# Altium PCB lab3_kozlov_motherboard.PcbDoc
Units mil, origin at the board's own origin, x right, y up, seen from the top; angles counter-clockwise.
Board outline not stored, 2 copper layers (Top Layer, Bottom Layer); 46 components, 51 nets, 261 pads, 0 vias.
Unrouted connection lines stored in the file: 157.
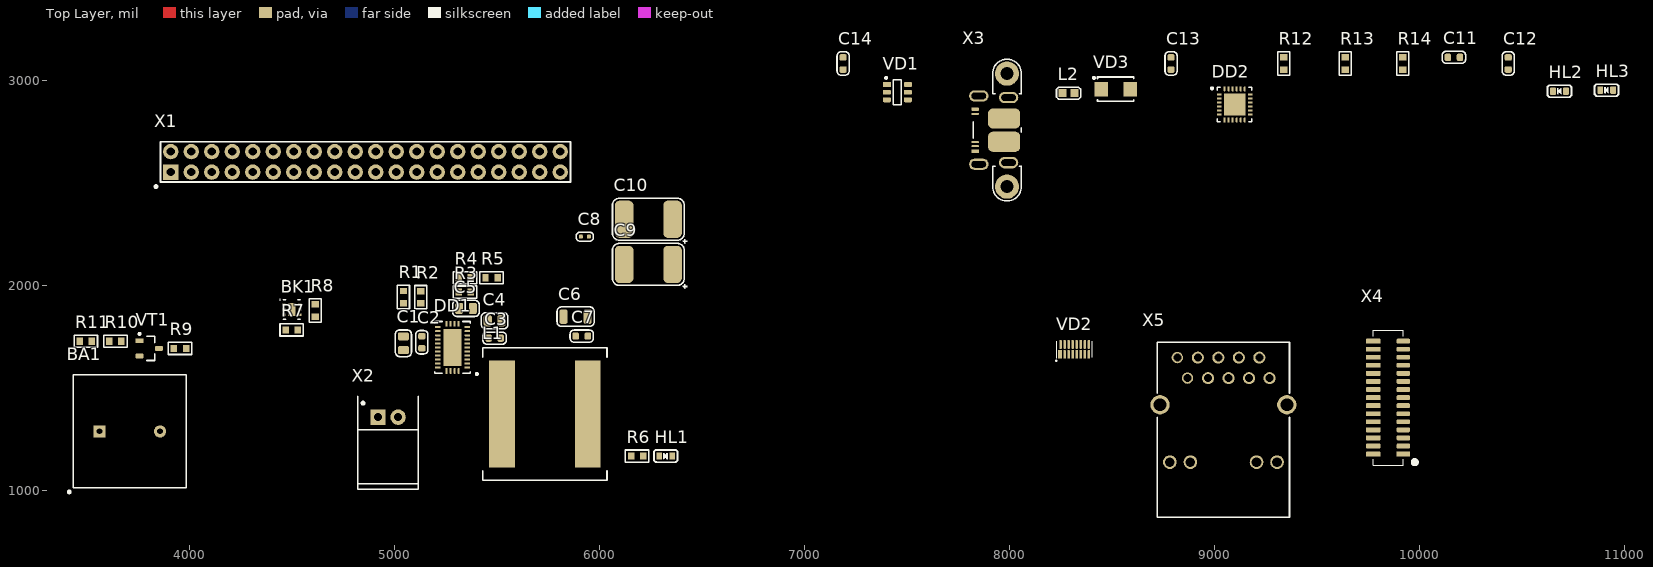
[diagram p0: Top Layer view]
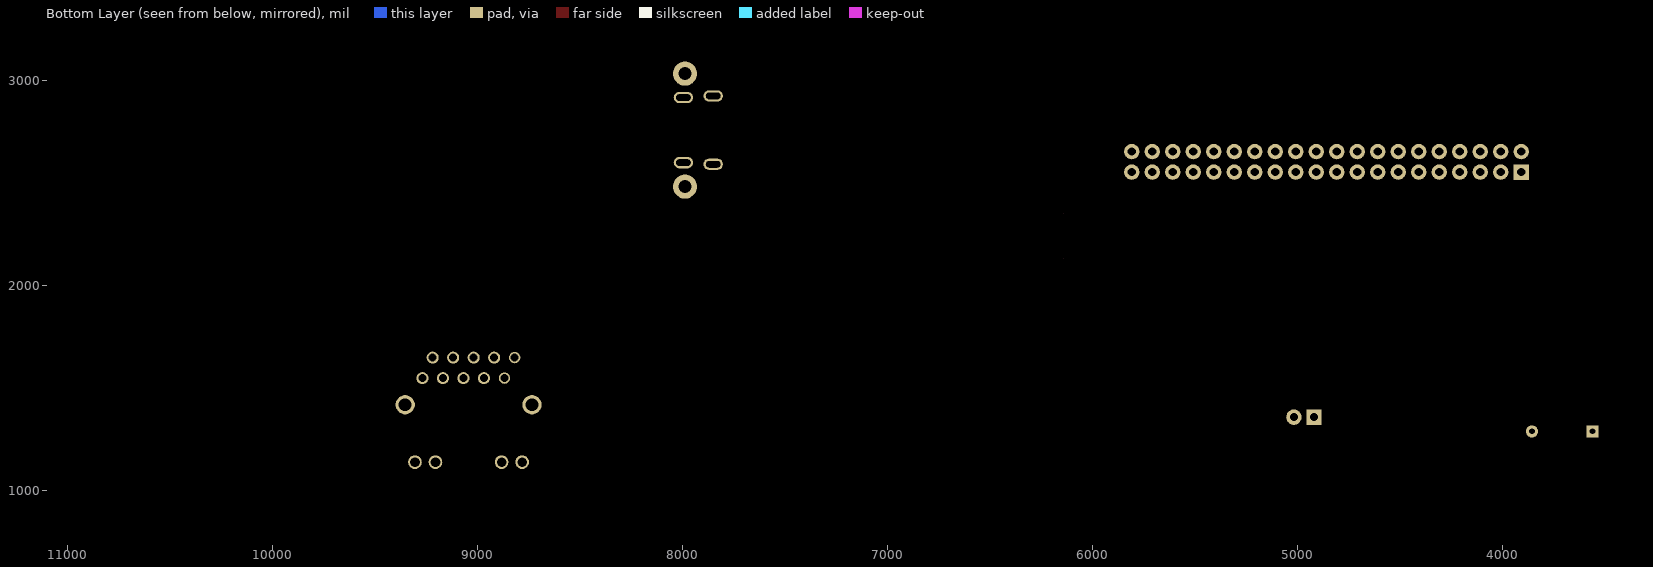
[diagram p1: Bottom Layer view, seen from below]

## Layer stack, top to bottom
Top Solder: solder mask 0.4, Solder Resist, Dk 3.5
Top Layer: signal copper 1.4
Dielectric 1: dielectric 12.6, FR-4, Dk 4.8
Bottom Layer: signal copper 1.4
Bottom Solder: solder mask 0.4, Solder Resist, Dk 3.5

## Design rules (kind name [scope] priority, off if disabled: settings)
Clearance [All] p1: gap=10 ignorepadtopadclearanceinfootprint=FALSE except(0: Arc-Hole Track-Hole SMDPad-Hole THPad-Hole Via-Hole Fill-Hole Poly-Hole Region-Hole Text-Hole)
PolygonConnect [All] p1: connectstyle=Relief reliefconductorwidth=10 reliefentries=4 polygonreliefangle="90 Angle" airgapwidth=10
RoutingVias [All] p1: holewidth=28 width=50 viastyle="Through Hole" minholewidth=28 minwidth=50 maxholewidth=28 maxwidth=50
SolderMaskExpansion [All] p1: expansion=4
Width [All] p1: maxlimit=10 minlimit=10 preferedwidth=10
30 further rules are at their usual default settings.

## Components (designator, comment, footprint, x,y, rotation, side; value= is the part's Value field where it differs from the comment)
BA1 "SMAT-13" SMAT_13 3710,1290 r0 top
BK1 "TMP117" TMP117 4500,1885 r0 top
C1 "4,7 мк" C0805 5045,1720 r270 top
C2 "0,47 мк" C0603 5135,1725 r270 top
C3 "0,47 мк" C0603 5490,1745 r180 top
C4 "2,2 мк" C0805 5490,1830 r0 top
C5 "150" C0805 5350,1890 r180 top
C6 "10 мк" C1206 5885,1850 r180 top
C7 "0,47 мк" C0603 5915,1755 r180 top
C8 "0,1 мк" C0402 5930,2240 r0 top
C9 "220 мк" C7343-43 6240,2105 r180 top
C10 "220 мк" C7343-43 6240,2325 r180 top
C11 "1 мк" C0603 10170,3115 r0 top
C12 "0,1 мк" C0603 10435,3085 r90 top
C13 "1 мк" C0603 8790,3085 r90 top
C14 "4,7 мк" C0603 7190,3085 r90 top
DD1 "LM76005RNPR" WQFN-30-P50-600X400X80-L55X25-T460X220 5285,1700 r180 top
DD2 "CP2104-F03-GM" QFN-24-P50-400X400X80-L40X25-T270X270 9100,2885 r0 top
HL1 "TLMS1000-GS08" HL0603 6325,1170 r180 top
HL2 "TLMS1000-GS08" HL0603 10685,2950 r0 top
HL3 "TLMG1100-GS08" HL0603 10915,2955 r0 top
L1 "XAL1510-822MEB" XAL-2-1620X1520X1000 5735,1375 r0 top
L2 "BLM18KG221SH1D" BLM-2-0603 8290,2940 r0 top
R1 "100" R0603 5045.01,1945.47 r90 top
R2 "100 к" R0603 5130,1945 r90 top
R3 "100 к" R0603 5345,1970 r0 top
R4 "13 к" R0603 5345,2040 r180 top
R5 "12 к" R0603 5475,2040 r180 top
R6 "220" R0603 6185,1170 r180 top
R7 "4,99 к" R0603 4500,1785 r0 top
R8 "4,99 к" R0603 4615,1880 r90 top
R9 "10 к" R0603 3955,1695 r180 top
R10 "100" R0603 3640,1730 r180 top
R11 "1 к" R0603 3495.47,1730 r180 top
R12 "330" R0603 9340,3085 r90 top
R13 "4,7 к" R0603 9640,3085 r90 top
R14 "330" R0603 9920,3085 r90 top
VD1 "USBLC6-2SC6" SOT-23-6-P95-290X280X145 7455,2945 r0 top
VD2 "EMI4193MTTAG" EMI4193 8320,1690 r0 top
VD3 "SL13-E3/5AT" DO-214AC-510X270X229 8520,2960 r0 top
VT1 "Si2342DS" SOT95P237X112-3N 3805,1695 r0 top
X1 "DS1023-2x20SF11" DS1023-2X20SF11 4860,2605 r0 top
X2 "DS1069-2MRW6XA" DS1069-2MRW6XA 4970,1235 r0 top
X3 "2108877-1" 2108877-1 7970,2760 r90 top
X4 "526101572" 526101572 9865,1455 r90 top
X5 "1-2301994-0" 1-2301994-0 9045,1300 r0 top

## Footprints (in the part's own frame and the unit in brackets; to place one, negate y for a bottom-side part, rotate by r counter-clockwise, add the part's x,y. Pads: shape width x height; smd on the part's side, far side on the other; paste and mask are expansions set on the pad)
1-2301994-0 [mm] "RJ45 with Integrated Magnetics, 1 Gbps, LED, R/A Type"
  round 1.4 hole 1: 1(-5.7,8.89) 2(-4.43,6.35)
  round 1.5 hole 1: 3(-3.16,8.89) 4(-1.89,6.35) 5(-0.62,8.89) 6(0.65,6.35) 7(1.92,8.89) 8(3.19,6.35) 9(4.46,8.89) 10(5.73,6.35)
  round 1.7 hole 1.2: 11(-6.63,-4.06) 12(-4.08,-4.06) 13(4.12,-4.06) 14(6.66,-4.06)
  round 2.4 hole 1.6: TP1(-7.84,3.05) TP1(7.87,3.05)
  round 0 hole 3.4: ""(-5.7,0) ""(5.73,0)
  silkscreen extent -8.2,-10.9 8.2,10.8, body extent -9.98,-10.74 10.02,10.61, height 15.62
2108877-1 [mm] "Micro USB 2.0 Type B R/A Type"
  rect 0.45x0.9 smd: 1(-2.6,3.446)
  rrect50% 0.25x0.9 smd: 2(-2,3.446) 3(-1.5,3.446) 4(2,3.446)
  rrect50% 0.45x0.9 smd: 5(2.6,3.446)
  round 3 hole 1.6: TP1(-7,-0.5) TP1(7,-0.5)
  oval 1.4x2.4 hole 0.8 slot 1.8 at 90 deg mask+0.102: TP1(-4.235,3) TP1(-4.035,-0.7) TP1(4.035,-0.7) TP1(4.235,3)
  rrect50% 2.5x3.98 smd: TP1(-1.441,-0.146) TP1(1.441,-0.146)
  silkscreen extent -8.78,-2.28 8.78,3.7, body extent -8.9,-4.2 8.9,3.7, height 3.39
526101572 [mm]
  rect 0.6x1.65 smd: 1(-7,-1.475)
  rrect50% 0.6x1.65 smd: 2(-6,-1.475) 3(-5,-1.475) 4(-4,-1.475) 5(-3,-1.475) 6(-2,-1.475) 7(-1,-1.475) 8(0,-1.475) 9(1,-1.475) 10(2,-1.475) 11(3,-1.475) 12(4,-1.475) 13(5,-1.475) 14(6,-1.475) 15(7,-1.475)
  rrect50% 0.6x1.85 smd: TP(-7,2.25) TP(-6,2.25) TP(-5,2.25) TP(-4,2.25) TP(-3,2.25) TP(-2,2.25) TP(-1,2.25) TP(0,2.25) TP(1,2.25) TP(2,2.25) TP(3,2.25) TP(4,2.25) TP(5,2.25) TP(6,2.25) TP(7,2.25)
  silkscreen extent -8.4,-3.15 8.37,2.25, body extent -10.8,-2.25 10.8,2.25, height 5.7
BLM-2-0603 [mm] "Chip Inductor, 2-Leads, Body 1,60x0,80mm, IPC Medium Density"
  rect 1.02x0.98 smd: 1(-0.74,0) 2(0.74,0)
  silkscreen extent -1.5,-0.75 1.5,0.75, body extent -0.8,-0.37 0.8,0.38, height 0.8
C0402 [mm] "Chip Capacitor, 2-Leads, Body 1,00x0,50mm, IPC Medium Density"
  rrect50% 0.5x0.5 smd: 1(-0.5,0) 2(0.5,0)
  silkscreen extent -1.05,-0.55 1.05,0.55, body extent -0.5,-0.25 0.5,0.25, height 0.5
C0603 [mm] "Chip Capacitor, 2-Leads, Body 1,60x0,80mm, IPC Medium Density"
  rrect50% 0.8x0.9 smd: 1(-0.75,0) 2(0.75,0)
  silkscreen extent -1.45,-0.75 1.45,0.75, body extent -0.8,-0.4 0.8,0.4, height 0.8
C0805 [mm] "Chip Capasitor, 2-Leads, Body 2,00x1,25mm, IPC Medium Density"
  rrect50% 1x1.4 smd: 1(-0.85,0) 2(0.85,0)
  silkscreen extent -1.65,-1 1.65,1, body extent -1,-0.62 1,0.63, height 0.6
C1206 [mm] "Chip Capacitor, 2-Leads, Body 3,20x1,60mm, IPC Medium Density"
  rrect50% 1x1.8 smd: 1(-1.5,0) 2(1.5,0)
  silkscreen extent -2.3,-1.2 2.3,1.2, body extent -1.6,-0.8 1.6,0.8, height 0.78
C7343-43 [mm] "Chip Tantalum Capacitor, 2-Leads, Body 7,30x4,30mm, IPC Medium Density"
  rrect50% 2.3x4.6 smd: 1(-3,0) 2(3,0)
  Top Layer lines w0.05: 2.45,-0.75 2.425,-0.75
  silkscreen extent -4.8,-2.6 4.45,2.95, body extent -3.6,-2.35 3.59,2.35, height 4.11
DO-214AC-510X270X229 [mm] "Molded Diode, 2-Leads, Body 5,10x2,70mm, IPC Medium Density"
  rect 1.7x1.8 smd: 1(-1.8,0) 2(1.8,0)
  silkscreen extent -2.82,-1.5 2.25,1.52, body extent -2.55,-1.3 2.55,1.3, height 2.26
DS1023-2X20SF11 [mm] "PBD 40 Pins 2,54mm Socket Header V/T Blanking Type"
  rect 1.9x1.9 hole 1: 1(-24.13,-1.27)
  round 1.9 hole 1: 2(-21.59,-1.27) 3(-19.05,-1.27) 38(-19.05,1.27) 39(-21.59,1.27) 40(-24.13,1.27)
  round 1.9 hole 1 mask+0.102: 4(-16.51,-1.27) 5(-13.97,-1.27) 6(-11.43,-1.27) 7(-8.89,-1.27) 8(-6.35,-1.27) 9(-3.81,-1.27) 10(-1.27,-1.27) 11(1.27,-1.27) 12(3.81,-1.27) 13(6.35,-1.27) 14(8.89,-1.27) 15(11.43,-1.27) 16(13.97,-1.27) 17(16.51,-1.27) 18(19.05,-1.27) 19(21.59,-1.27) 20(24.13,-1.27) 21(24.13,1.27) 22(21.59,1.27) 23(19.05,1.27) 24(16.51,1.27) 25(13.97,1.27) 26(11.43,1.27) 27(8.89,1.27) 28(6.35,1.27) 29(3.81,1.27) 30(1.27,1.27) 31(-1.27,1.27) 32(-3.81,1.27) 33(-6.35,1.27) 34(-8.89,1.27) 35(-11.43,1.27) 36(-13.97,1.27) 37(-16.51,1.27)
  silkscreen extent -25.96,-3.07 25.4,2.5, body extent -25.4,-2.54 25.4,2.54, height 8.5
DS1069-2MRW6XA [mm] "CWF 2 Pins Plug Header, Pitch 2,5mm, R/A Type, Type A"
  rect 1.9x1.9 hole 1: 1(-1.249,3.163)
  round 1.9 hole 1: 2(1.251,3.163)
  silkscreen extent -3.75,-5.76 3.75,5.74, body extent -3.75,-5.76 3.75,5.74, height 5.85
EMI4193 [mm]
  rect 0.45x1.07 smd: 1(-1.825,-0.615)
  rrect50% 0.3x1.07 smd: 2(-1.25,-0.615) 3(-0.75,-0.615) 4(-0.25,-0.615) 5(0.25,-0.615) 6(0.75,-0.615) 7(1.25,-0.615) 8(1.75,-0.615) 9(1.75,0.615) 10(1.25,0.615) 11(0.75,0.615) 12(0.25,0.615) 13(-0.25,0.615) 14(-0.75,0.615) 15(-1.25,0.615) 16(-1.75,0.615)
  silkscreen extent -2.3,-1.4 2.2,1, body extent -2,-1 2,1.4, height 13
HL0603 [mm] "Chip Resistor, 2-Leads, Body 1,60x0,80mm, IPC Medium Density"
  rrect25% 0.7x0.9 smd: 1(-0.8,0) 2(0.8,0)
  silkscreen extent -1.5,-0.75 1.5,0.75, body extent -0.81,-0.4 0.81,0.4, height 0.64
QFN-24-P50-400X400X80-L40X25-T270X270 [mm] "QFN, 24-Leads, Body 4,00x4,00mm, Pitch 0,50mm, Thermal Pad 2,70x2,70mm, IPC Medium Density"
  rect 2.68x2.68 smd: 0(0,0)
  rect 0.58x0.24 smd: 1(-1.9,1.25)
  rrect50% 0.58x0.24 smd: 2(-1.9,0.75) 3(-1.9,0.25) 4(-1.9,-0.25) 5(-1.9,-0.75) 6(-1.9,-1.25) 13(1.925,-1.25) 14(1.925,-0.75) 15(1.925,-0.25) 16(1.925,0.25) 17(1.925,0.75) 18(1.925,1.25)
  rrect50% 0.24x0.58 smd: 7(-1.25,-1.925) 8(-0.75,-1.925) 9(-0.25,-1.925) 10(0.25,-1.925) 11(0.75,-1.925) 12(1.25,-1.925) 19(1.25,1.925) 20(0.75,1.925) 21(0.25,1.925) 22(-0.25,1.925) 23(-0.75,1.925) 24(-1.25,1.925)
  silkscreen extent -2.92,-2.15 2.15,2.15, body extent -2,-2 2.01,2.01, height 0.9
R0603 [mm] "Chip Resistor, 2-Leads, Body 1,60x0,80mm, IPC Medium Density"
  rect 0.8x0.9 smd: 1(-0.75,0) 2(0.75,0)
  silkscreen extent -1.45,-0.75 1.45,0.75, body extent -0.77,-0.43 0.78,0.43, height 0.43
SMAT_13 [mm]
  rect 1.5x1.5 hole 0.7: 1(-3.75,0)
  round 1.5 hole 0.7: 2(3.75,0)
  silkscreen extent -7.5,-7.5 7,7, body extent -7,-7 7,7, height 6.51
SOT95P237X112-3N [mm] "SOT23, 3-Leads, Body 2,92x2,37mm, Pitch 0,95mm, IPC Medium Density"
  rect 1x0.6 smd: D(-1.2,0.95)
  rrect50% 1x0.6 smd: G(1.2,0) S(-1.2,-0.95)
  silkscreen extent -1.32,-1.5 0.7,1.92, body extent -1.32,-1.52 1.32,1.52, height 1.12
SOT-23-6-P95-290X280X145 [mm] "SOT-23, 6-Leads, Body 2,90x2,80mm, Pitch 0,95mm, IPC Medium Density"
  rect 1x0.6 smd: 1(-1.3,0.95)
  rrect50% 1x0.6 smd: 2(-1.3,0) 3(-1.3,-0.95) 4(1.3,-0.95) 5(1.3,0) 6(1.3,0.95)
  silkscreen extent -1.52,-1.55 0.5,1.9, body extent -1.4,-1.45 1.4,1.45, height 1.45
TMP117 [mm] "SON, 6-Leads, Body 2,00x2,00mm, Pitch 0,65mm, Thermal Pad 1,60x0,89mm, IPC Medium Density"
  rect 0.89x1.6 smd: 0(0,0)
  rect 0.45x0.3 smd: 1(-0.995,0.65) 2(-0.995,0) 3(-0.995,-0.65) 4(0.995,-0.65) 5(0.995,0) 6(0.995,0.65)
  silkscreen extent -1.5,-1.2 1.05,1.25, body extent -1.05,-1.05 1.05,1.05, height 0.8
WQFN-30-P50-600X400X80-L55X25-T460X220 [mm] "WQFN, 30-Leads, Body 6,00x4,00mm, Pitch 0,50mm, Thermal Pad 4,60x2,20mm, IPC Medium Density"
  rect 2.2x4.6 smd: 0(0,0)
  rect 0.7x0.25 smd: 1(-1.825,2.5)
  rrect50% 0.7x0.25 smd: 2(-1.825,2) 3(-1.825,1.5) 4(-1.825,1) 5(-1.825,0.5) 6(-1.825,0) 7(-1.825,-0.5) 8(-1.825,-1) 9(-1.825,-1.5) 10(-1.825,-2) 11(-1.825,-2.5) 16(1.825,-2.5) 17(1.825,-2) 18(1.825,-1.5) 19(1.825,-1) 20(1.825,-0.5) 21(1.825,0) 22(1.825,0.5) 23(1.825,1) 24(1.825,1.5) 25(1.825,2) 26(1.825,2.5)
  rrect50% 0.25x0.7 smd: 12(-0.75,-2.925) 13(-0.25,-2.925) 14(0.25,-2.925) 15(0.75,-2.925) 27(0.75,2.925) 28(0.25,2.925) 29(-0.25,2.925) 30(-0.75,2.925)
  silkscreen extent -3.13,-3.2 2.2,3.42, body extent -2,-3 2,3, height 0.8
XAL-2-1620X1520X1000 [mm] "Precision Wire Wound Inductor, 2-Leads, Body 16,20x15,20mm, IPC Medium Density"
  rect 3.18x13.3 smd: 1(-5.3,0) 2(5.3,0)
  silkscreen extent -7.7,-8.2 7.7,8.2, body extent -7.7,-8.2 7.7,8.2, height 10

## Part data
BA1: library part PIEZO_SOUNDER, "https://www.sonitron.be/products/sma-smat-series/"
BK1: "https://www.ti.com/product/TMP117#design-development##hardware-development"
C1: library part c0137, "=Описание", HelpURL=https://www.yageo.com/upload/media/product/productsearch/datasheet/mlcc/UPY-GPHC_X7R_6.3V-to-50V_20.pdf, ID=c0137, Корпус=0805, Наименование=CC0805KKX7R8BB475, Напряжение="25 В", Номинал="4,7 мк", Номинальное напряжение="25 В", Описание="Конденсатор керамический чип 0805 4,7 мкФ 25 В ±10 %", Отклонение="±10 %", Производитель="YAGEO Corp.", Рабочие температуры="от –55 °С до +125 °С", Температурный коэффициент емкости=X7R, Фамилия=Паньков
C2 C3 C7: library part c0104, "=Описание", HelpURL=https://www.yageo.com/upload/media/product/productsearch/datasheet/mlcc/UPY-GPHC_X5R_4V-to-50V_26.pdf, ID=c0104, Корпус=0603, Наименование=CC0603KRX5R8BB474, Напряжение="25 В", Номинал="0,47 мк", Номинальное напряжение="25 В", Описание="Конденсатор керамический чип 0603 470 нФ 25 В ±10 %", Отклонение="±10 %", Производитель="YAGEO Corp.", Рабочие температуры="от –55 °С до +85 °С", Температурный коэффициент емкости=X5R, Фамилия=Паньков
C4: library part c0126, "=Описание", HelpURL=https://www.yageo.com/upload/media/product/productsearch/datasheet/mlcc/UPY-GPHC_X7R_6.3V-to-50V_20.pdf, ID=c0126, Корпус=0805, Наименование=CC0805KKX7R8BB225, Напряжение="25 В", Номинал="2,2 мк", Номинальное напряжение="25 В", Описание="Конденсатор керамический чип 0805 2,2 мкФ 25 В ±10 %", Отклонение="±10 %", Производитель="YAGEO Corp.", Рабочие температуры="от –55 °С до +125 °С", Температурный коэффициент емкости=X7R, Фамилия=Паньков
C5: library part c0177, "=Описание", HelpURL=https://www.kemet.com/en/us/capacitors/ceramic/product/C0805C151G1GACTU.html, ID=c0177, Корпус=0805, Наименование=C0805C151G1GACTU, Напряжение="100 В", Номинал=150, Номинальное напряжение="100 В", Описание="Конденсатор керамический чип 0805 150 пФ 100 В ±2 %", Отклонение="±2 %", Производитель="KEMET Corporation", Рабочие температуры="от –55 °С до +125 °С", Температурный коэффициент емкости=C0G, Фамилия=Ляховский
C6: library part c0148, "=Описание", HelpURL=https://www.yageo.com/upload/media/product/productsearch/datasheet/mlcc/UPY-GPHC_X7R_6.3V-to-50V_20.pdf, ID=c0148, Корпус=1206, Наименование=CC1206KKX7R8BB106, Напряжение="25 В", Номинал="10 мк", Номинальное напряжение="25 В", Описание="Конденсатор керамический чип 1206 10 мкФ 25 В ±10 %", Отклонение="±10 %", Производитель="YAGEO Corp.", Рабочие температуры="от –55 °С до +125 °С", Температурный коэффициент емкости=X7R, Фамилия=Паньков
C8: library part c0082, "=Описание", HelpURL=https://www.yageo.com/upload/media/product/productsearch/datasheet/mlcc/UPY-GPHC_X5R_4V-to-50V_26.pdf, ID=c0082, Корпус=0402, Наименование=CC0402KRX5R8BB104, Напряжение="25 В", Номинал="0,1 мк", Номинальное напряжение="25 В", Описание="Конденсатор керамический чип 0402 100 нФ 25 В ±10 %", Отклонение="±10 %", Производитель="YAGEO Corp.", Рабочие температуры="от –55 °С до +85 °С", Температурный коэффициент емкости=X5R, Фамилия=Паньков
C9 C10: library part c0153, "=Описание", HelpURL=https://www.vishay.com/capacitors/list/product-40002/, ID=c0153, Корпус=7343-43, Наименование=293D227X96R3E2TE3, Напряжение="6,3 В", Номинал="220 мк", Номинальное напряжение="6,3 В", Описание="Конденсатор танталовый чип 7343-43 220 мкФ 6,3 В ±10 %", Отклонение="±10 %", Производитель="Vishay Intertechnology, Inc.", Рабочие температуры="от –55 °С до +125 °С", Среднеквадратичный размах пульсации тока="0,57 А", Фамилия=Паньков, Эквивалентное последовательное сопротивление="0,5 Ом"
C11 C13: library part c0115, "=Описание", HelpURL=https://www.yageo.com/upload/media/product/productsearch/datasheet/mlcc/UPY-GPHC_X7R_6.3V-to-50V_20.pdf, ID=c0115, Корпус=0603, Наименование=CC0603KRX7R8BB105, Напряжение="25 В", Номинал="1 мк", Номинальное напряжение="25 В", Описание="Конденсатор керамический чип 0603 1 мкФ 25 В ±10 %", Отклонение="±10 %", Производитель="YAGEO Corp.", Рабочие температуры="от –55 °С до +125 °С", Температурный коэффициент емкости=X7R, Фамилия=Ларионов
C12: library part c0085, "=Описание", HelpURL=https://www.yageo.com/upload/media/product/productsearch/datasheet/mlcc/UPY-GPHC_X7R_6.3V-to-50V_20.pdf, ID=c0085, Корпус=0603, Наименование=CC0603JRX7R9BB104, Напряжение="50 В", Номинал="0,1 мк", Номинальное напряжение="50 В", Описание="Конденсатор керамический чип 0603 100 нФ 50 В ±5 %", Отклонение="±5 %", Производитель="YAGEO Corp.", Рабочие температуры="от –55 °С до +125 °С", Температурный коэффициент емкости=X7R, Фамилия=Ларионов
C14: library part c0136, "=Описание", HelpURL=https://www.yageo.com/upload/media/product/productsearch/datasheet/mlcc/UPY-GPHC_X5R_4V-to-50V_26.pdf, ID=c0136, Корпус=0603, Наименование=CC0603KRX5R8BB475, Напряжение="25 В", Номинал="4,7 мк", Номинальное напряжение="25 В", Описание="Конденсатор керамический чип 0603 4,7 мкФ 25 В ±10 %", Отклонение="±10 %", Производитель="YAGEO Corp.", Рабочие температуры="от –55 °С до +85 °С", Температурный коэффициент емкости=X5R, Фамилия=Ларионов
DD1: library part dd0014, "=Описание", HelpURL=https://www.ti.com/product/LM76005, ID=dd0014, Входное напряжение="от 3,5 В до 60 В", Выходное напряжение="от 1,0 В до 57 В", Коммутируемый ток="до 5,0 А", Корпус=WQFN-30, Наименование=LM76005RNPR, Описание="Понижающий преобразователь напряжения 3,5…60 В / 1,0…57 В и 5,0 А", Производитель="Texas Instruments Inc.", Рабочие температуры="от –40 °С до +125 °С", Фамилия=Водорезов, Частота переключения="от 200 кГц до 500 кГц"
DD2: library part dd0001, "=Описание", HelpURL=https://www.silabs.com/interface/usb-bridges/classic/device.cp2104, ID=dd0001, Корпус=QFN-24, Наименование=CP2104-F03-GM, Описание="Преобразователь USB-UART", Производитель="Silicon Laboratories", Рабочие температуры="от –40 до +85 °C", Фамилия=Ларионов
HL1 HL2: library part hl0001, "=Описание", HelpURL=https://www.vishay.com/leds/list/product-83172/, ID=hl0001, Корпус=0603, Наименование=TLMS1000-GS08, Номинальная длина волны="628 нм", Номинальная сила света="4 мкд", Номинальный прямой ток="15 мА", Описание="Светодиод чип 0603 красный", Производитель="Vishay Intertechnology, Inc.", Рабочие температуры="от -40 °С до +100 °С", Рассеиваемая мощность="40 мВт", Фамилия=Ларионов, Цвет=Red
  HL1: Номинальное падение напряжения="1,8 В"
  HL2: Номинальное падение напряжение="1,8 В"
HL3: library part hl0005, "=Описание", HelpURL=https://www.vishay.com/leds/list/product-83173/, ID=hl0005, Корпус=0603, Наименование=TLMG1100-GS08, Номинальная длина волны="570 нм", Номинальная сила света="35 мкд", Номинальное падение напряжение="2,1 В", Номинальный прямой ток="30 мА", Описание="Светодиод чип 0603 зеленый", Производитель="Vishay Intertechnology, Inc.", Рабочие температуры="от -40 °С до +100 °С", Рассеиваемая мощность="90 мВт", Фамилия=Ларионов, Цвет=Green
L1: library part l0005, "=Описание", HelpURL=https://www.coilcraft.com/en-us/products/power/shielded-inductors/molded-inductor/xal/xal1510, ID=l0005, Индуктивность="8,2 мкГн", Корпус="16,2 x 15,2 x 10", Максимальное активное сопротивление="7,5 мОм", Наименование=XAL1510-822MEB, Номинал="8,2 мкГн", Номинальное активное сопротивление="6 мОм", Номинальный ток (при нагреве на 20 °С/40 °С)="18 А", Описание="Катушка индуктивности 8,2 мкГн ±20 %", Отклонение="±20 %", Производитель="Coilcraft, Inc.", Рабочее напряжение="от 0 В до 60 В", Рабочие температуры="от –40 °С до +125 °С", Резонансная частота="10,8 МГц", Ток насыщения="30 А", Фамилия=Паньков
L2: library part l0001, "=Описание", HelpURL=https://www.murata.com/en-global/products/productdetail?partno=BLM18KG221SH1%23, ID=l0001, Корпус=0603, Наименование=BLM18KG221SH1D, Описание="Ферритовая бусина 220 Ом ±25 %", Отклонение, 100 МГц="±25 %", Производитель="Murata Manufacturing Co., Ltd.", Рабочие температуры="от –55 °С до +125 °С", Сопротивление, 100 МГц="220 Ом", Сопротивление при постоянном токе="0,05 Ом", Фамилия=Ларионов
R1 R10: library part r0052, "=Описание", HelpURL=https://www.yageo.com/upload/media/product/productsearch/datasheet/rchip/PYu-RC_Group_51_RoHS_L_11.pdf, ID=r0052, Корпус=0603, Наименование=RC0603FR?-07100RL, Номинал=100, Номинальное напряжение="75 В", Номинальный ток="1 А", Описание="Резистор чип 0603 100 Ом ±1 % 0,1 Вт", Отклонение="±1 %", Примечание="Ряд E24", Производитель="YAGEO Corp.", Рабочие температуры="от –55 °С до +155 °С", Фамилия=Самарин
R2 R3: library part r0023, "=Описание", HelpURL=https://www.yageo.com/upload/media/product/productsearch/datasheet/rchip/PYu-RC_Group_51_RoHS_L_11.pdf, ID=r0023, Корпус=0603, Наименование=RC0603FR-07100KL, Номинал="100 к", Номинальное напряжение="75 В", Номинальный ток="1 А", Описание="Резистор чип 0603 100 кОм ±1 % 0,2 Вт", Отклонение="±1 %", Производитель="YAGEO Corp.", Рабочие температуры="от -55 °С до +155 °С", Фамилия=Водорезов
R4: library part r0016, "=Описание", HelpURL=https://www.yageo.com/upload/media/product/productsearch/datasheet/rchip/PYu-RC_Group_51_RoHS_L_11.pdf, ID=r0016, Корпус=0603, Наименование=RC0603FR-0713KL, Номинал="13 к", Номинальное напряжение="75 В", Номинальный ток="1 А", Описание="Резистор чип 0603 13 кОм ±1 % 0,1 Вт", Отклонение="±1 %", Производитель="YAGEO Corp.", Рабочие температуры="от -55 °С до +155 °С", Фамилия=Жернаков
R5: library part r0015, "=Описание", HelpURL=https://www.yageo.com/upload/media/product/productsearch/datasheet/rchip/PYu-AC_51_RoHS_L_7.pdf, ID=r0015, Корпус=0603, Наименование=AC0603FR-1012KL, Номинал="12 к", Номинальное напряжение="75 В", Номинальный ток="1 А", Описание="Резистор чип 0603 12 кОм ±1 % 0,1 Вт", Отклонение="±1 %", Производитель="YAGEO Corp.", Рабочие температуры="от -55 °С до +155 °С", Фамилия=Соколов
R6: library part r0009, "=Описание", HelpURL=https://www.yageo.com/upload/media/product/productsearch/datasheet/rchip/PYu-RC_Group_51_RoHS_L_11.pdf, ID=r0009, Корпус=0603, Наименование=RC0603FR-07220RL, Номинал=220, Номинальное напряжение="75 В", Номинальный ток="1 А", Описание="Резистор чип 0603 220 Ом ±1 % 0,1 Вт", Отклонение="±1 %", Производитель="YAGEO Corp.", Рабочие температуры="от -55 °С до +155 °С", Фамилия=Ларионов
R7 R8: library part r0095, "=Описание", HelpURL=https://www.yageo.com/upload/media/product/productsearch/datasheet/rchip/PYu-RC_Group_51_RoHS_L_11.pdf, ID=r0095, Корпус=0603, Наименование=RC0603FR-074K99L, Номинал="4,99 к", Номинальное напряжение="75 В", Номинальный ток="1 А", Описание="Резистор чип 0603 4,99 кОм ±1 % 0,1 Вт", Отклонение="±1 %", Производитель="YAGEO Corp.", Рабочие температуры="от –55 °С до +155 °С", Фамилия=Жернаков
R9: library part r0105, "=Описание", HelpURL=https://www.yageo.com/upload/media/product/productsearch/datasheet/rchip/PYu-RC_Group_51_RoHS_L_11.pdf, ID=r0105, Корпус=0603, Наименование=RC0603FR-0710KL, Номинал="10 к", Номинальное напряжение="75 В", Номинальный ток="1 А", Описание="Резистор чип 0603 10 кОм ±1 % 0,1 Вт", Отклонение="±1 %", Примечание="Ряд E24", Производитель="YAGEO Corp.", Рабочие температуры="от –55 °С до +155 °С", Фамилия=Самарин
R11: library part r0076, "=Описание", HelpURL=https://www.yageo.com/upload/media/product/productsearch/datasheet/rchip/PYu-RC_Group_51_RoHS_L_11.pdf, ID=r0076, Корпус=0603, Наименование=RC0603FR-071KL, Номинал="1 к", Номинальное напряжение="75 В", Номинальный ток="1 А", Описание="Резистор чип 0603 1 кОм ±1 % 0,1 Вт", Отклонение="±1 %", Примечание="Ряд E24", Производитель="YAGEO Corp.", Рабочие температуры="от –55 °С до +155 °С", Фамилия=Ларионов
R12 R14: library part r0005, "=Описание", HelpURL=https://www.yageo.com/upload/media/product/productsearch/datasheet/rchip/PYu-RC_Group_51_RoHS_L_11.pdf, ID=r0005, Корпус=0603, Наименование=RC0603FR-07330RL, Номинал=330, Номинальное напряжение="75 В", Номинальный ток="1 А", Описание="Резистор чип 0603 330 Ом ±1 % 0,1 Вт", Отклонение="±1 %", Производитель=Yageo, Рабочие температуры="от -55 °С до +155 °С", Фамилия=Ларионов
R13: library part r0006, "=Описание", HelpURL=https://www.yageo.com/upload/media/product/productsearch/datasheet/rchip/PYu-RC_Group_51_RoHS_L_11.pdf, ID=r0006, Корпус=0603, Наименование=RC0603FR-074K7L, Номинал="4,7 к", Номинальное напряжение="75 В", Номинальный ток="1 А", Описание="Резистор чип 0603 4,7 кОм ±1 % 0,1 Вт", Отклонение="±1 %", Производитель=Yageo, Рабочие температуры="от -55 °С до +155 °С", Фамилия=Ларионов
VD1: library part vd0011, "=Описание", HelpURL=https://www.st.com/content/st_com/en/products/protection-devices/esd-protection/usb-port-protection/usblc6-2.html, ID=vd0011, Корпус=SOT-23-6, Наименование=USBLC6-2SC6, Описание="Диодная сборка для подавления помех от 6 В", Производитель=STMicroelectronics, Фамилия=Ларионов
VD2: library part EMI4193, "https://www.onsemi.com/products/isolation-protection-devices/emi-filters/emi4193"
VD3: library part vd0003, "=Описание", HelpURL=https://www.vishay.com/product?docid=88740, ID=vd0003, Корпус=DO-214AC, Максимальное обратное напряжение="30 В", Максимальное прямое напряжение="0,445 В", Максимальный прямой ток="1,5 А", Наименование=SL13-E3/5AT, Описание="Диод Шоттки 30 В 1,5 А", Производитель="Vishay Intertechnology, Inc.", Рабочие температуры="от –55 °С до +125 °С", Фамилия=Ларионов
VT1: library part vt0008, "=Описание", HelpURL=https://www.vishay.com/mosfets/list/product-63302/, ID=vt0008, Корпус=SOT-23-3, Наименование=Si2342DS, Напряжение затвор — исток="±5 В", Напряжение сток — исток="8 В", Описание="Полевой N-канальный МДП-транзистор 8 В 6 А", Производитель="Vishay Intertechnology, Inc.", Рабочие температуры="от –55 °С до +150 °С", Сопротивление сток — исток="17 мОм", Ток стока="6 А", Фамилия=Козлов
X1: library part x0038, "=Описание", Contact_1=GND, Contact_2=GPIO26, Contact_3=GPIO19, Contact_4=GPIO13, Contact_5=GPIO6, Contact_6=GPIO5, Contact_7=GPIO0, Contact_8=GND, Contact_9=GPIO11, Contact_10=GPIO9, Contact_11=GPIO10, Contact_12=3V3, Contact_13=GPIO22, Contact_14=GPIO27, Contact_15=GPIO17, Contact_16=GND, Contact_17=GPIO4, Contact_18=GPIO3, Contact_19=GPIO2, Contact_20=3V3, Contact_21=5V, Contact_22=5V, Contact_23=GND, Contact_24=GPIO14, Contact_25=GPIO15, Contact_26=GPIO18, Contact_27=GND, Contact_28=GPIO23, Contact_29=GPIO24, Contact_30=GND, Contact_31=GPIO25, Contact_32=GPIO8, Contact_33=GPIO7, Contact_34=GPIO1, Contact_35=GND, Contact_36=GPIO12, Contact_37=GND, Contact_38=GPIO16, Contact_39=GPIO20, Contact_40=GPIO21, HelpURL=http://en.connfly.group/product/xVkr=EusQssAN0gN=Aos=mU+UrVkR9kqEAN0gN0AUCUNB+A, ID=x0038, Наименование=DS1023-2x20SF11, Описание="PBD 40 pin 2,54 мм гнездо прямой", Производитель="Connfly Electronic Co., Ltd.", Фамилия=Паньков
X2: library part x0040, "=Описание", Contact_1=+12V, Contact_2=GND, HelpURL=http://en.connfly.group/product/xVkr=EusQssAN0gN=Aos=mU+UrVkR9kqEAN0gN0MUR+g+NB+A, ID=x0040, Наименование=DS1069-2MRW6XA, Описание="CWF 2 pin Type A 2,5 мм вилка угловой", Производитель="Connfly Electronic Co., Ltd.", Фамилия=Паньков
X3: library part x0001, Contact_1=VBUS, Contact_2=D-, Contact_3=D+, Contact_4=ID, Contact_5=GND, HelpURL=https://www.te.com/global-en/product-2108877-1.html, ID=x0001, Наименование=2108877-1, Описание="USB 2.0 Micro USB Type B IP68 гнездо прямой угол", Производитель="TE Connectivity", Фамилия=Ларионов
X4: "https://www.molex.com/molex/products/part-detail/ffc_fpc_connectors/0526101572", Contact_1=GND, Contact_2=CAM1_DN0, Contact_3=CAM1_DP0, Contact_4=GND, Contact_5=CAM1_DN1, Contact_6=CAM1_DP1, Contact_7=GND, Contact_8=CAM1_CN, Contact_9=CAM1_CP, Contact_10=GND, Contact_11=CAM_GPIO, Contact_12=NC, Contact_13=SCL0, Contact_14=SDA0, Contact_15=3V3
X5: library part x0016, "=Описание", Contact_1=GND, Contact_2=CAM1_DN0, Contact_3=CAM1_DP0, Contact_4=GND, Contact_5=CAM1_DN1, Contact_6=CAM1_DP1, Contact_7=GND, Contact_8=CAM1_CN, Contact_9=CAM1_CP, Contact_10=GND, Contact_11=CAM_GPIO, Contact_12=SCLO, Contact_13=SDAO, Contact_14=3V3, HelpURL=https://www.te.com/usa-en/product-1-2301994-0.html?source=header-match, ID=x0016, TP1=TP1, Наименование=1-2301994-0, Описание="RJ45 интегрированный трансформатор 1 Gbps LED гнездо угловой", Производитель="TE Connectivity", Фамилия=Ларионов

## Nets (pads, with @x,y where several pads share a name; then routed paths per layer and width w, separated by ;. In a path a pad name is that pad's centre, name@x,y a point inside that pad or via, vN(x,y) a via of type N, cw(c..) or ccw(c..) an arc to the next point about the centre after c; other vN are vias at no path point)
+5V: BA1.1 C5.1 C6.1 C7.1 C9.1 C10.1 C13.1 DD2.7 DD2.8 HL2.2 HL3.2 L1.2 R2.2 R3.2 R6.2 R11.2 R13.2 VD3.1 X1.21 X1.22
CN_5V_IN: L2.1 VD1.5 X3.1
CN_D_N: VD1.1 X3.2
CN_D_P: VD1.3 X3.3
CTS: DD2.18 X1.38
GND: BK1.0 BK1.2 BK1.3 BK1.4 C1.2 C2.2 C4.2 C6.2 C7.2 C8.2 C9.2 C10.2 C11.2 C12.2 C13.2 C14.2 DD1.7 DD1.9 DD1.19 DD1.23 DD1.27 DD1.28 DD1.29 DD1.30 DD2.0 DD2.2 HL1.1 R5.1 R9.1 VD1.2 VD2.3 VD2.6 VD2.11 VD2.14 VT1.S X1.1 X1.8 X1.16 X1.23 X1.27 X1.30 X1.35 X1.37 X2.2 X3.5 X3.TP1 X4.1 X4.4 X4.7 X4.10 X5.1 X5.4 X5.7 X5.10
NetBA1_2: BA1.2 R10.2 R11.1
NetBK1_1: BK1.1 R7.1 X1.18
NetBK1_5: BK1.5 C8.1 R7.2 R8.1 X1.6
NetBK1_6: BK1.6 R8.2 X1.19
NetC1_1: C1.1 C2.1 DD1.18 DD1.20 DD1.21 DD1.22 X2.1
NetC3_1: C3.1 DD1.6
NetC3_2: C3.2 DD1.1 DD1.2 DD1.3 DD1.4 DD1.5 L1.1
NetC4_1: C4.1 DD1.8
NetC5_2: C5.2 DD1.12 R3.1 R4.2
NetC11_1: C11.1 C12.1 DD2.5 DD2.6
NetC14_1: C14.1 DD2.16
NetDD1_0: DD1.0 DD1.13 DD1.14 DD1.15 DD1.17 DD1.24 DD1.25 DD1.26 R1.1
NetDD1_10: DD1.10 R1.2
NetDD1_16: DD1.16 R2.1
NetHL1_2: HL1.2 R6.1
NetHL2_1: HL2.1 R12.2
NetHL3_1: HL3.1 R14.2
NetL2_2: L2.2 VD3.2
NetR4_1: R4.1 R5.2
NetR9_2: R9.2 VT1.G X1.2
NetR10_1: R10.1 VT1.D
NetVD2_1: VD2.1 X5.3
NetVD2_2: VD2.2 X5.2
NetVD2_4: VD2.4 X5.6
NetVD2_5: VD2.5 X5.5
NetVD2_7: VD2.7 X5.9
NetVD2_8: VD2.8 X5.8
NetVD2_9: VD2.9 X4.8
NetVD2_10: VD2.10 X4.9
NetVD2_12: VD2.12 X4.5
NetVD2_13: VD2.13 X4.6
NetVD2_15: VD2.15 X4.2
NetVD2_16: VD2.16 X4.3
NetX4_11: X4.11 X5.11
NetX4_13: X4.13 X5.12
NetX4_14: X4.14 X5.13
NetX4_15: X4.15 X5.14
RST: DD2.9 R13.1
RTS: DD2.19 X1.15
RX: DD2.20 X1.25
RX_LED: DD2.13 R14.1
TX: DD2.21 X1.24
TX_LED: DD2.14 R12.1
USB_D_N: DD2.4 VD1.6
USB_D_P: DD2.3 VD1.4
pads on no net: DD1.11 DD2.1 DD2.10 DD2.11 DD2.12 DD2.15 DD2.17 DD2.22 DD2.23 DD2.24 X1.3 X1.4 X1.5 X1.7 X1.9 X1.10 X1.11 X1.12 X1.13 X1.14 X1.17 X1.20 X1.26 X1.28 X1.29 X1.31 X1.32 X1.33 X1.34 X1.36 X1.39 X1.40 X3.4 X4.12 X4.TP X5. X5.TP1